# Altium PCB PCB3.PcbDoc
Units mil, origin at the board's own origin, x right, y up, seen from the top; angles counter-clockwise.
Board outline 3130 x 2450 mil, 2 copper layers (Top Layer, Bottom Layer); 51 components, 75 nets, 268 pads, 285 vias.
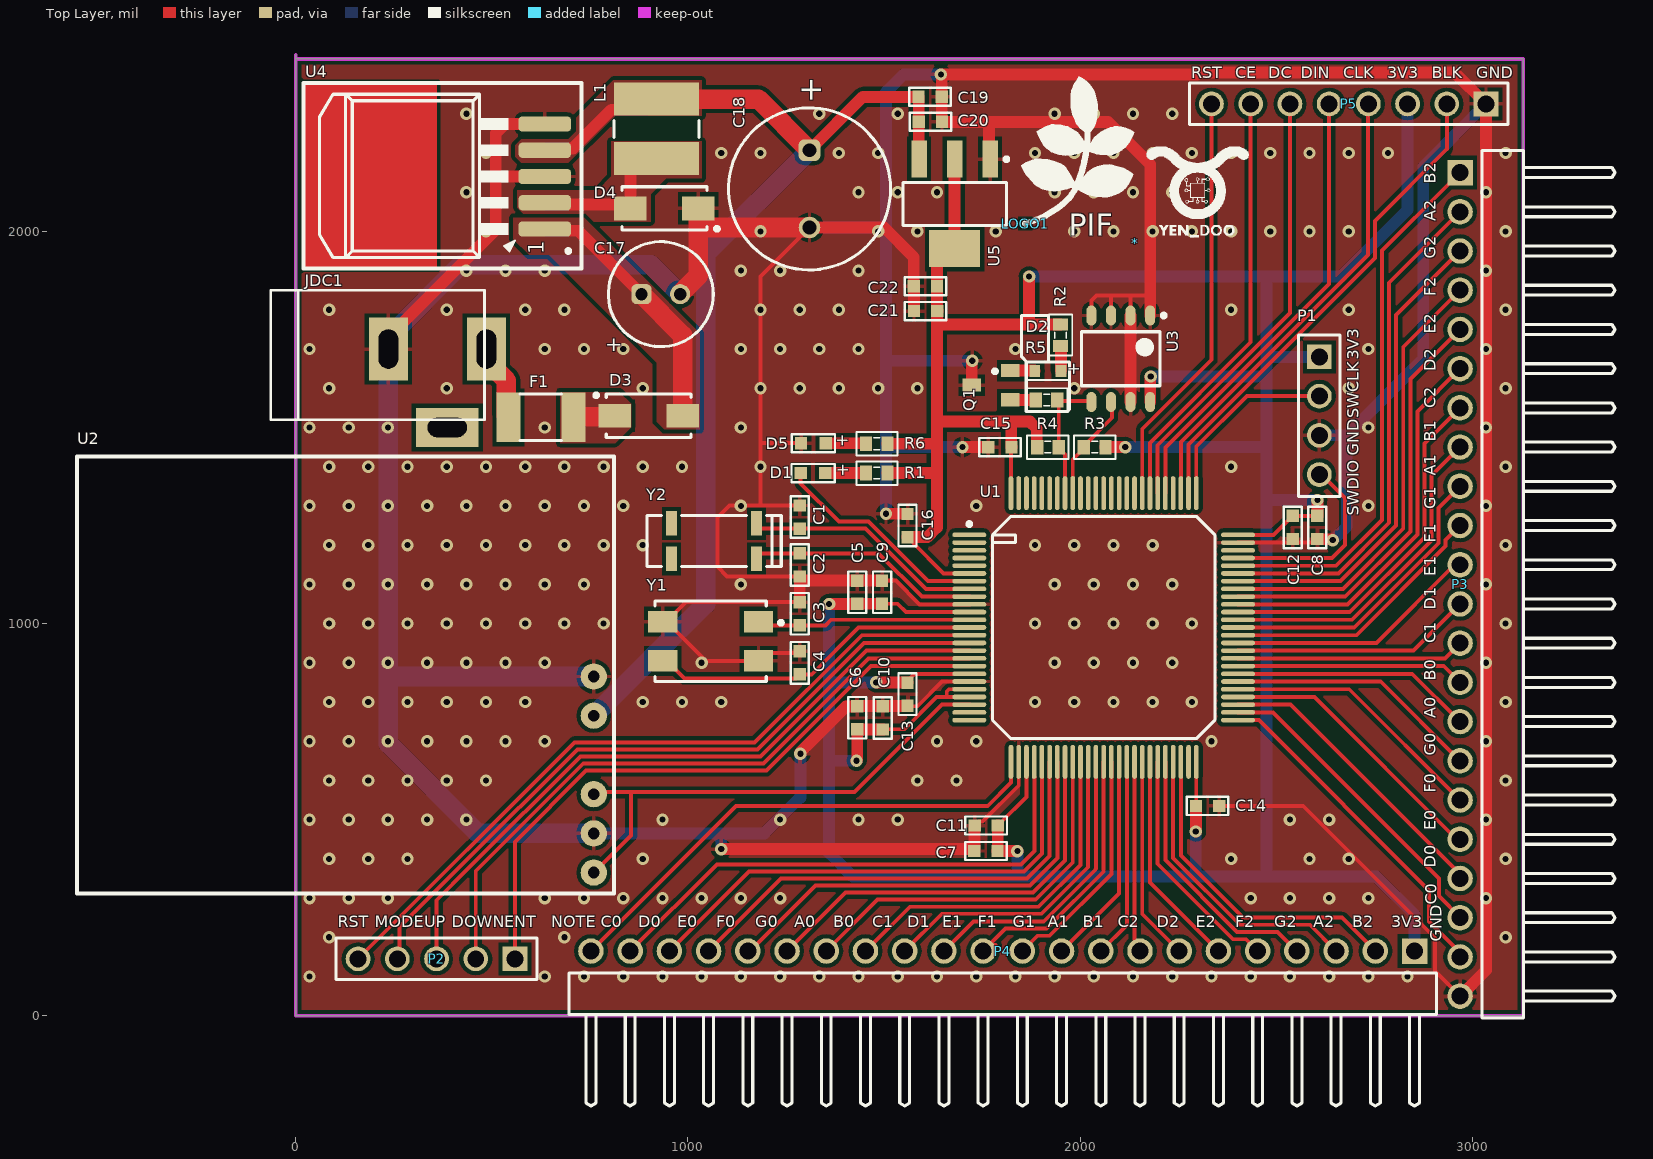
[diagram p0: Top Layer view]
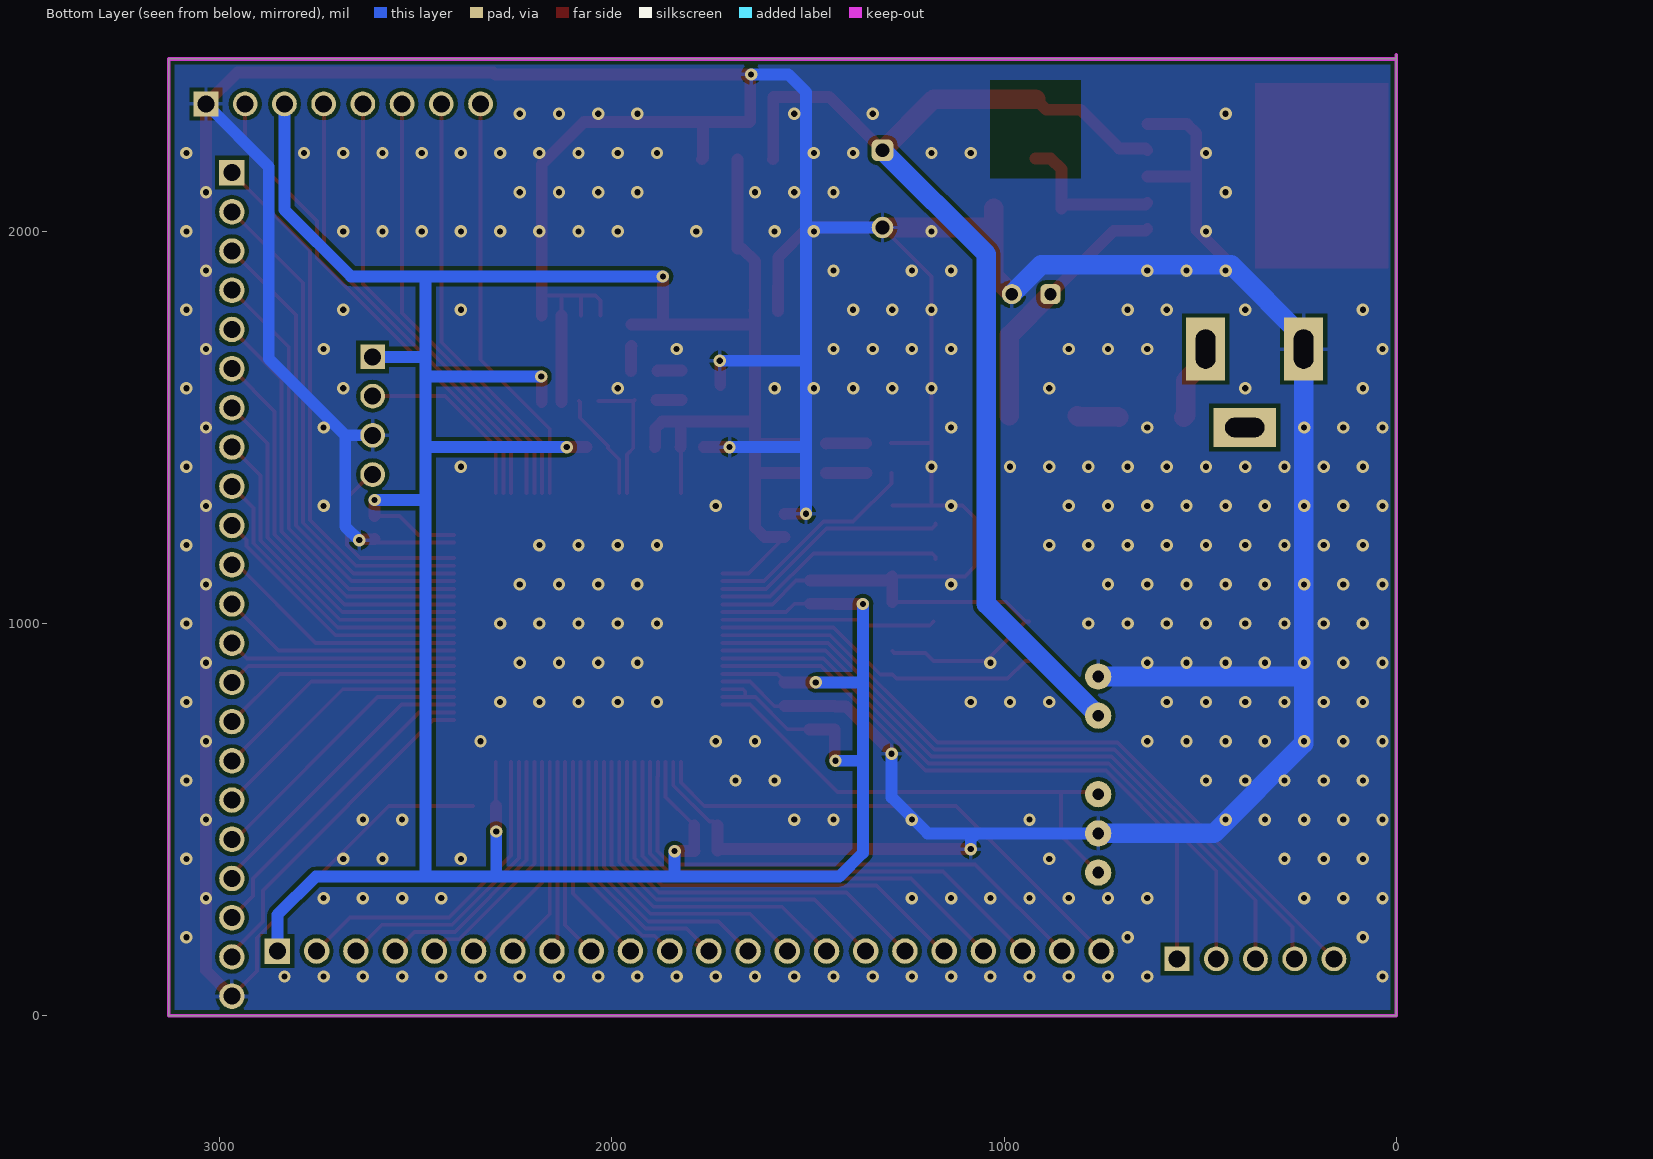
[diagram p1: Bottom Layer view, seen from below]
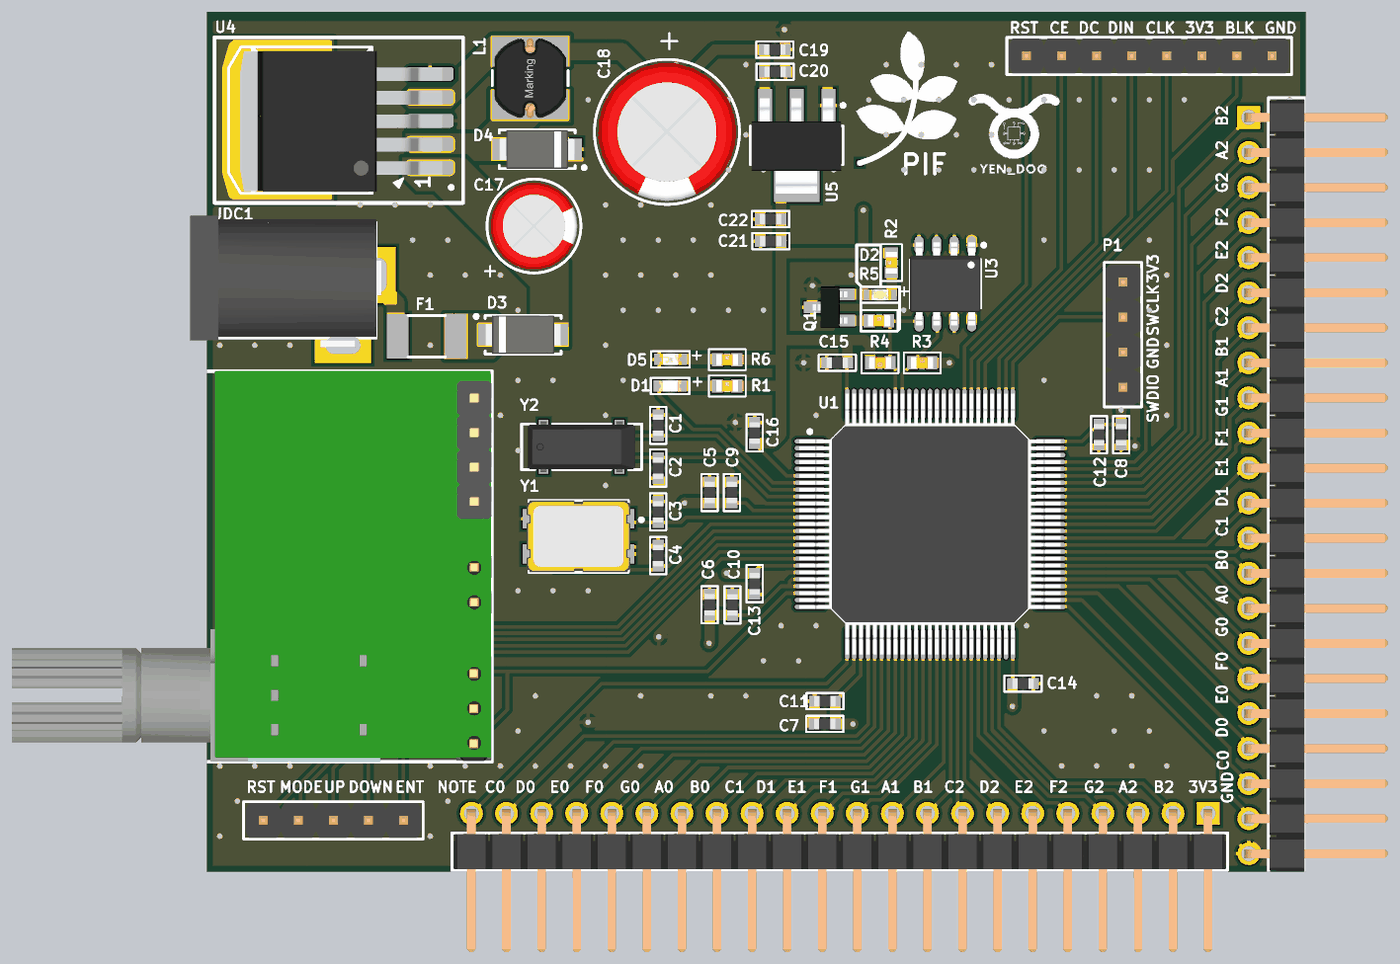
[diagram p2: 3D render of the assembled board from above, using the file's embedded part models]

## Layer stack, top to bottom
Top Solder: solder mask 0.4, Solder Resist, Dk 3.5
Top Layer: signal copper 1.4
Dielectric 1: dielectric 12.6, FR-4, Dk 4.8
Bottom Layer: signal copper 1.4
Bottom Solder: solder mask 0.4, Solder Resist, Dk 3.5

## Board outline
0,2440 3130,2440 3130,0 0,0 0,2450

## Design rules (kind name [scope] priority, off if disabled: settings)
Clearance [All] p1: gap=10 ignorepadtopadclearanceinfootprint=TRUE except(7.5: Arc-SMDPad Track-SMDPad SMDPad-SMDPad; 8: Arc-Arc Arc-Track Track-Track)
PolygonConnect [All] p1: connectstyle=Relief reliefconductorwidth=10 reliefentries=4 polygonreliefangle="90 Angle" airgapwidth=10
RoutingVias [All] p1: holewidth=15.75 width=31.5 viastyle="Through Hole" minholewidth=15.75 minwidth=31.5 maxholewidth=15.75 maxwidth=31.5
SolderMaskExpansion [All] p1: expansion=4 istentingtop=FALSE
Width [All] p1: maxlimit=50 minlimit=10 preferedwidth=30
30 further rules are at their usual default settings.

## Classes and differential pairs
component class 05_Supply_Power: C17 C18 C19 C20 C21 C22 D3 D4 D5 F1 JDC1 L1 R6 U4 U5
component class 04_Input_Output: D2 P2 P3 P4 P5 Q1 R2 R3 R4 R5 U2 U3
component class 03_MCU: * C1 C2 C3 C4 C5 C6 C7 C8 C9 C10 C11 C12 C13 C14 C15 C16 D1 LOGO1 P1 R1 U1 Y1 Y2

## Components (designator, comment, footprint, x,y, rotation, side; value= is the part's Value field where it differs from the comment)
* "LOGO_DOO" Logo_Top_Overlay 2140,1970 r0 top
C1 "22pF, 10V" WCAP-CSGP_0603_H=0.8mm_Reflow 1285,1271.62 r270 top
C2 "22pF, 10V" WCAP-CSGP_0603_H=0.8mm_Reflow 1285,1149.61 r90 top
C3 "22pF, 10V" WCAP-CSGP_0603_H=0.8mm_Reflow 1285,1025 r270 top
C4 "22pF, 10V" WCAP-CSGP_0603_H=0.8mm_Reflow 1285,900 r270 top
C5 "1uF, 10V" WCAP-CSGP_0603_H=0.8mm_Reflow 1431.84,1080 r270 top
C6 "1uF, 10V" WCAP-CSGP_0603_H=0.8mm_Reflow 1431.84,760 r270 top
C7 "1uF, 10V" WCAP-CSGP_0603_H=0.8mm_Reflow 1760,420 r0 top
C8 "1uF, 10V" WCAP-CSGP_0603_H=0.8mm_Reflow 2605,1245 r90 top
C9 "100nF, 10V" WCAP-CSGP_0603_H=0.8mm_Reflow 1495,1080 r270 top
C10 "100nF, 10V" WCAP-CSGP_0603_H=0.8mm_Reflow 1496.84,759.53 r270 top
C11 "100nF, 10V" WCAP-CSGP_0603_H=0.8mm_Reflow 1760.47,485 r0 top
C12 "100nF, 10V" WCAP-CSGP_0603_H=0.8mm_Reflow 2541.84,1245 r90 top
C13 "4.7uF, 10V" WCAP-CSGP_0603_H=0.8mm_Reflow 1560,820 r270 top
C14 "4.7uF, 10V" WCAP-CSGP_0603_H=0.8mm_Reflow 2325,535 r0 top
C15 "4.7uF, 10V" WCAP-CSGP_0603_H=0.8mm_Reflow 1795.47,1450 r180 top
C16 "4.7uF, 10V" WCAP-CSGP_0603_H=0.8mm_Reflow 1560,1250 r90 top
C17 "100uF" WCAP-ATG8_D6.3H11 930.79,1840 r180 top
C18 "1000uF" WCAP-ATG8_D10H20 1310,2108.43 r90 top
C19 "1uF, 10V" WCAP-CSGP_0603_H=0.8mm_Reflow 1617.45,2342.97 r180 top
C20 "100nF, 10V" WCAP-CSGP_0603_H=0.8mm_Reflow 1618.4,2279.81 r180 top
C21 "1uF, 10V" WCAP-CSGP_0603_H=0.8mm_Reflow 1605.94,1796.84 r0 top
C22 "100nF, 10V" WCAP-CSGP_0603_H=0.8mm_Reflow 1605.47,1860 r0 top
D1 "Red, 2V" WL-SMCW_0603_H=0.7mm 1318.99,1383.78 r0 top
D2 "Blue, 3.2V" "WL-SMCW_0603 dome" 1917.77,1644.08 r0 top
D3 "D Schottky" SS34 900,1530 r0 top
D4 "D Schottky" SS34 940,2058.67 r180 top
D5 "Green, 3.2V" WL-SMCW_0603_H=0.25mm 1320,1460 r0 top
F1 "Fuse" "FUSE SMD" 625,1525.73 r0 top
JDC1 "Jack DC" DC-IN 361.27,1600.01 r0 top value="Jac DC"
L1 "100uH, 0.57A" WE-PD2A_5848 920,2261.59 r90 top
LOGO1 "LOGO PIF" "PIF LOGO BIG SSTOP" 1849,2006 r0 top
P1 "61300411121" 61300411121 2610,1530 r270 top
P2 "61300511121" 61300511121 358.97,145 r180 top
P3 "61302211021" 61302211021 3077.91,1100 r90 top
P4 "61302211021" 61302211021 1802.74,55.94 r0 top
P5 "61300811121" 61300811121 2685,2325 r180 top
Q1 "A1015" SOT23B 1772.92,1608 r90 top
R1 "RESISTOR SMD" RES-SM-0603 1454.49,1383.78 r0 top value=1K
R2 "RESISTOR SMD" RES-SM-0603 1950,1708.17 r90 top value=1K
R3 "RESISTOR SMD" RES-SM-0603 2010.01,1450 r0 top value=10K
R4 "RESISTOR SMD" RES-SM-0603 1945,1450 r180 top value=10K
R5 "RESISTOR SMD" RES-SM-0603 1887.37,1570 r0 top value=47K
R6 "RESISTOR SMD" RES-SM-0603 1454.49,1458.79 r0 top value=1K
U1 "STM32F205VCT6" STM32F205VCT6 2060,990 r0 top
U2 "PAM8403" PAM8403 760,365 r90 top
U3 "24C256" SOIC-8 2103.73,1675.24 r270 top
U4 "LM2576" TO263 400,2125 r90 top
U5 "LM1117" SOT223-4N 1680,2070 r270 top value=LM317
Y1 "16MHz" WE-XTAL_12SMX 1057.95,955 r180 top
Y2 "32.768kHz" WE-XTAL_85SMX 1066.73,1210.28 r180 top

## Footprints (in the part's own frame and the unit in brackets; to place one, negate y for a bottom-side part, rotate by r counter-clockwise, add the part's x,y. Pads: shape width x height; smd on the part's side, far side on the other; paste and mask are expansions set on the pad)
61300411121 [mm] "Pin Header, pitch 2.54 mm, THT, Vertical, single row, 4p"
  rect 1.6x1.6 hole 1.1: 1(-3.81,0)
  round 1.6 hole 1.1: 2(-1.27,0) 3(1.27,0) 4(3.81,0)
  silkscreen extent -5.23,-1.35 5.23,1.35, body extent -5.08,-1.27 5.08,1.27, height 8.57
61300511121 [mm] "Pin Header, pitch 2.54 mm, THT, Vertical, single row, 5p"
  rect 1.6x1.6 hole 1.1: 1(-5.08,0)
  round 1.6 hole 1.1: 2(-2.54,0) 3(0,0) 4(2.54,0) 5(5.08,0)
  silkscreen extent -6.5,-1.35 6.5,1.35, body extent -6.35,-1.27 6.35,1.27, height 8.57
61300811121 [mm] "Pin Header, pitch 2.54 mm, THT, Vertical, single row, 8p"
  rect 1.6x1.6 hole 1.1: 1(-8.89,0)
  round 1.6 hole 1.1: 2(-6.35,0) 3(-3.81,0) 4(-1.27,0) 5(1.27,0) 6(3.81,0) 7(6.35,0) 8(8.89,0)
  silkscreen extent -10.31,-1.35 10.31,1.35, body extent -10.16,-1.27 10.16,1.27, height 8.57
61302211021 [mm] "Pin Header, pitch 2.54 mm, THT, Angled, single row, 22p"
  rect 1.65x1.65 hole 1.1: 1(26.67,2.77)
  round 1.65 hole 1.1: 2(24.13,2.77) 3(21.59,2.77) 4(19.05,2.77) 5(16.51,2.77) 6(13.97,2.77) 7(11.43,2.77) 8(8.89,2.77) 9(6.35,2.77) 10(3.81,2.77) 11(1.27,2.77) 12(-1.27,2.77) 13(-3.81,2.77) 14(-6.35,2.77) 15(-8.89,2.77) 16(-11.43,2.77) 17(-13.97,2.77) 18(-16.51,2.77) 19(-19.05,2.77) 20(-21.59,2.77) 21(-24.13,2.77) 22(-26.67,2.77)
  silkscreen extent -28.09,-7.27 28.09,1.35, body extent -27.94,-7.27 27.94,3.09, height 2.58
DC-IN [mil] "Jac DC input"
  rect 100x160 hole 50 slot 100 at 90 deg: 1(125,100) 2(-125,100)
  rect 160x100 hole 50 slot 100 at 0 deg: 3(25,-100)
  silkscreen extent -425,-80 120,250, body extent -410,-105 134,269, height 434
"FUSE SMD" [mm] "SMD FUSE"
  rect 1.55x3.21 smd: 1(-2.1,0) 2(2.1,0)
  silkscreen extent -1.35,-1.5 1.35,1.51, body extent -2.37,-1.71 2.36,1.71, height 0.75
Logo_Top_Overlay [mil]
  silkscreen extent 30,16 290,246
PAM8403 [mm]
  round 1.7 hole 0.762: 1(0,0) 2(2.54,0) 3(5.08,0) 4(10.16,0) 5(12.7,0)
  silkscreen extent -1.35,-1.3 26.95,33.48, body extent -1.32,-1.27 26.98,33.48, height 23.21
"PIF LOGO BIG SSTOP" [mil]
  rect 15x15 smd: 1(11,14)
  silkscreen extent 0,14 289,389
RES-SM-0603 [mm]
  rect 0.8x0.95 smd: 1(-0.014,0) 2(1.386,0)
  silkscreen extent -0.64,-0.76 2.03,0.76, body extent -0.11,-0.4 1.49,0.4, height 0.3
SOIC-8 [mm] "SOIC, 8-Leads, Body 5.00x4.00mm, Pitch 1.27mm, IPC Medium Density"
  oval 1.3x0.65 smd: 1(-2.8,1.905) 2(-2.8,0.635) 3(-2.8,-0.635) 4(-2.8,-1.905) 5(2.8,-1.905) 6(2.8,-0.635) 7(2.8,0.635) 8(2.8,1.905)
  silkscreen extent -2.92,-2.55 1.75,2.91, body extent -3.01,-2.55 3.01,2.55, height 1.39
SOT23B [mm] "SOT 23B"
  rect 0.85x1.2 smd: 1(0.94,-1.245) 2(0,1.25) 3(-0.95,-1.25)
  silkscreen extent 0.77,-0.38 1.02,-0.13, body extent -1.5,-1.3 1.5,1.2, height 1.06
SOT223-4N [mm] "SOT223, 4-Leads, Body 6.5x3.5mm, Pitch 2.3mm, Lead Span 7mm, IPC Medium Density"
  rect 2.4x1 smd: 1(-2.9,2.3) 2(-2.9,0) 3(-2.9,-2.3)
  rect 2.4x3.3 smd: 4(2.9,0)
  silkscreen extent -3.02,-3.35 1.4,3.48, body extent -3.39,-3.27 3.5,3.23, height 1.72
SS34 [mm] "DO-214-AC/SMA Molded Diode, Body 5.3x2.6mm, IPC Medium Density"
  rect 2.1x1.55 smd: 1(-2.2,0) 2(2.2,0)
  silkscreen extent -3.52,-1.4 2.75,1.45, body extent -2.75,-1.4 2.75,1.4, height 2.3
STM32F205VCT6 [mm] "CQFP, 100-Leads, Body 18.70x18.70mm, Pitch 0.50mm, IPC Medium Density"
  oval 2.2x0.3 smd: 1(-8.7,6) 2(-8.7,5.5) 3(-8.7,5) 4(-8.7,4.5) 5(-8.7,4) 6(-8.7,3.5) 7(-8.7,3) 8(-8.7,2.5) 9(-8.7,2) 10(-8.7,1.5) 11(-8.7,1) 12(-8.7,0.5) 13(-8.7,0) 14(-8.7,-0.5) 15(-8.7,-1) 16(-8.7,-1.5) 17(-8.7,-2) 18(-8.7,-2.5) 19(-8.7,-3) 20(-8.7,-3.5) 21(-8.7,-4) 22(-8.7,-4.5) 23(-8.7,-5) 24(-8.7,-5.5) 25(-8.7,-6) 51(8.7,-6) 52(8.7,-5.5) 53(8.7,-5) 54(8.7,-4.5) 55(8.7,-4) 56(8.7,-3.5) 57(8.7,-3) 58(8.7,-2.5) 59(8.7,-2) 60(8.7,-1.5) 61(8.7,-1) 62(8.7,-0.5) 63(8.7,0) 64(8.7,0.5) 65(8.7,1) 66(8.7,1.5) 67(8.7,2) 68(8.7,2.5) 69(8.7,3) 70(8.7,3.5) 71(8.7,4) 72(8.7,4.5) 73(8.7,5) 74(8.7,5.5) 75(8.7,6)
  oval 0.3x2.2 smd: 26(-6,-8.7) 27(-5.5,-8.7) 28(-5,-8.7) 29(-4.5,-8.7) 30(-4,-8.7) 31(-3.5,-8.7) 32(-3,-8.7) 33(-2.5,-8.7) 34(-2,-8.7) 35(-1.5,-8.7) 36(-1,-8.7) 37(-0.5,-8.7) 38(0,-8.7) 39(0.5,-8.7) 40(1,-8.7) 41(1.5,-8.7) 42(2,-8.7) 43(2.5,-8.7) 44(3,-8.7) 45(3.5,-8.7) 46(4,-8.7) 47(4.5,-8.7) 48(5,-8.7) 49(5.5,-8.7) 50(6,-8.7) 76(6,8.7) 77(5.5,8.7) 78(5,8.7) 79(4.5,8.7) 80(4,8.7) 81(3.5,8.7) 82(3,8.7) 83(2.5,8.7) 84(2,8.7) 85(1.5,8.7) 86(1,8.7) 87(0.5,8.7) 88(0,8.7) 89(-0.5,8.7) 90(-1,8.7) 91(-1.5,8.7) 92(-2,8.7) 93(-2.5,8.7) 94(-3,8.7) 95(-3.5,8.7) 96(-4,8.7) 97(-4.5,8.7) 98(-5,8.7) 99(-5.5,8.7) 100(-6,8.7)
  silkscreen extent -8.82,-7.2 7.2,7.2, body extent -9.45,-9.45 9.45,9.45, height 1.55
TO263 [mm]
  rrect50% 1x3.4 smd: 1(-3.019,-5.969) 2(-1.319,-5.969) 4(2.081,-5.969) 5(3.781,-5.969)
  rrect50% 1x3.4 smd mask+0: 3(0.381,-5.969)
  Top Layer region: -5.568,1.016 6.432,1.016 6.432,9.65 -5.568,9.65
  silkscreen extent -5.57,-8.35 6.43,9.65, body extent -4.73,-6.84 5.43,7.8, height 4.57
WCAP-ATG8_D6.3H11 [mm] "Aluminum Electrolytic Capacitors, 6.3x11mm"
  rrect50% 1.3x1.3 hole 0.8: 1(1.25,0)
  round 1.3 hole 0.8: 2(-1.25,0)
  silkscreen extent -3.4,-3.4 3.4,3.4, body extent -3.14,-3.15 3.15,3.15, height 11.31
WCAP-ATG8_D10H20 [mm] "Aluminum Electrolytic Capacitors, 10x20mm"
  rrect50% 1.4x1.4 hole 0.9: 1(2.5,0)
  round 1.4 hole 0.9: 2(-2.5,0)
  silkscreen extent -5.25,-5.25 5.25,5.25, body extent -4.99,-5 5,5, height 20.31
WCAP-CSGP_0603_H=0.8mm_Reflow [mm] "Ceramic Capacitors, body 1.6x0.8mm"
  rect 0.8x0.8 smd: 1(-0.75,0) 2(0.75,0)
  silkscreen extent -1.34,-0.58 1.35,0.58, body extent -0.8,-0.4 0.8,0.4, height 0.8
WE-PD2A_5848 [mm] "SMD Power Inductor, body 5.8x5.2mm"
  rect 2.15x5.5 smd: 1(-1.925,0) 2(1.925,0)
  silkscreen extent -0.55,-2.75 0.55,2.75, body extent -2.9,-2.6 2.89,2.6, height 4.5
WE-XTAL_12SMX [mm] "Quartz Crystal, size 12SMX, body 7.5x5.2mm"
  rect 1.9x1.4 smd: 1(-3.1,-1.27) 2(-3.1,1.27) 3(3.1,1.27) 4(3.1,-1.27)
  silkscreen extent -4.68,-2.6 3.6,2.6, body extent -3.75,-2.6 3.75,2.6, height 1.1
WE-XTAL_85SMX [mm] "Quartz Crystal, size 85SMX, body 8.7x3.2mm"
  rect 0.7x1.6 smd: 1(-2.75,-1.15) 2(2.75,-1.15) 3(2.75,1.15) 4(-2.75,1.15)
  silkscreen extent -4.35,-1.65 4.35,1.65, body extent -3.9,-1.85 3.9,1.85, height 2.45
"WL-SMCW_0603 dome" [mm] "SMD Mono-color Chip LED, body 1.6x0.8mm"
  rect 0.7x0.8 smd: 1(-0.85,0) 2(0.85,0)
  silkscreen extent -1.4,-0.58 1.4,0.58, body extent -0.8,-0.4 0.8,0.4, height 0.95
WL-SMCW_0603_H=0.7mm [mm] "SMD Mono-color Chip LED, body 1.6x0.8mm"
  rect 0.8x0.8 smd: 1(-0.8,0) 2(0.8,0)
  silkscreen extent -1.4,-0.58 1.4,0.58, body extent -0.8,-0.4 0.8,0.4, height 0.7
WL-SMCW_0603_H=0.25mm [mm] "SMD Mono-color Chip LED, body 1.6x0.8mm"
  rect 0.8x0.8 smd: 1(-0.8,0) 2(0.8,0)
  silkscreen extent -1.4,-0.58 1.4,0.58, body extent -0.8,-0.4 0.8,0.4, height 0.25

## Part data
C1 C2 C3 C4: library part 885012006004, "WCAP-CSGP Multilayer Ceramic Chip Capacitor, General Purpose, size 0603, NP0, 22pF, 10V", Capacitance=22pF, Capacitance Tolerance=+/-5%, Isolation Resistance=>=10GOhm, Manufacturer="Wurth Elektronik", Operating Temperature="-55 to +125degC", Rated Voltage=10VDC, Ceramic Type=NP0, ComponentLink1Description=Manufacturer, ComponentLink1URL=http://www.we-online.de, ComponentLink2Description=Datasheet, ComponentLink2URL=https://www.we-online.com/catalog/datasheet/885012006004.pdf, Dissipation Factor=Q>=400+20C, Height=0.8mm, Manufacturer Part Number=885012006004, Mounting Technology=SMT, Packaging="Tape and Reel", Published Date="May 2020", Size=0603, Technical Reference=NP00603220J010DFCT10000
C5 C6 C7 C8 C19 C21: library part 885012106010, "WCAP-CSGP Multilayer Ceramic Chip Capacitor, General Purpose, size 0603, X5R, 1uF, 10V", Capacitance=1uF, Capacitance Tolerance=+/-20%, Isolation Resistance=>=0.1GOhm, Manufacturer="Wurth Elektronik", Operating Temperature="-55 to +85degC", Rated Voltage=10VDC, Ceramic Type=X5R, ComponentLink1Description=Manufacturer, ComponentLink1URL=http://www.we-online.de, ComponentLink2Description=Datasheet, ComponentLink2URL=https://www.we-online.com/catalog/datasheet/885012106010.pdf, Dissipation Factor=#NAME?, Height=0.8mm, Manufacturer Part Number=885012106010, Mounting Technology=SMT, Packaging="Tape and Reel", Published Date="May 2020", Size=0603, Technical Reference=X5R0603105M010DFCT10000
C9 C10 C11 C12 C20 C22: library part 885012206020, "WCAP-CSGP Multilayer Ceramic Chip Capacitor, General Purpose, size 0603, X7R, 100nF, 10V", Capacitance=100nF, Capacitance Tolerance=+/-10%, Isolation Resistance=>=5GOhm, Manufacturer="Wurth Elektronik", Operating Temperature="-55 to +125degC", Rated Voltage=10VDC, Ceramic Type=X7R, ComponentLink1Description=Manufacturer, ComponentLink1URL=http://www.we-online.de, ComponentLink2Description=Datasheet, ComponentLink2URL=https://www.we-online.com/catalog/datasheet/885012206020.pdf, Dissipation Factor=#NAME?, Height=0.8mm, Manufacturer Part Number=885012206020, Mounting Technology=SMT, Packaging="Tape and Reel", Published Date="May 2020", Size=0603, Technical Reference=X7R0603104K010DFCT10000
C13 C14 C15 C16: library part 885012106012, "WCAP-CSGP Multilayer Ceramic Chip Capacitor, General Purpose, size 0603, X5R, 4.7uF, 10V", Capacitance=4.7uF, Capacitance Tolerance=+/-20%, Isolation Resistance=>=0.02GOhm, Manufacturer="Wurth Elektronik", Operating Temperature="-55 to +85degC", Rated Voltage=10VDC, Ceramic Type=X5R, ComponentLink1Description=Manufacturer, ComponentLink1URL=http://www.we-online.de, ComponentLink2Description=Datasheet, ComponentLink2URL=https://www.we-online.com/catalog/datasheet/885012106012.pdf, Dissipation Factor=#NAME?, Height=0.8mm, Manufacturer Part Number=885012106012, Mounting Technology=SMT, Packaging="Tape and Reel", Published Date="May 2020", Size=0603, Technical Reference=X5R0603475M010DFCT10000
C17: library part 860010473007, "WCAP-ATG8 Aluminum Electrolytic Capacitor, Radial THT, D6.3xH11mm, 100uF, 25V", Capacitance Tolerance=+/-20%, Leakage Current=25uA, Manufacturer="Wurth Elektronik", Operating Temperature Max=85°C, Operating Temperature Min=-40°C, Rated Voltage (DC)=25V, Ripple Current=209mA, Capacitance=100uF, Category="Aluminum Electrolytic Capacitors", ComponentLink1Description="Manufacturer Link", ComponentLink1URL=https://www.we-online.com/redexpert/article/860010473007?ad, ComponentLink2Description=Datasheet, ComponentLink2URL=https://www.we-online.com/redexpert/spec/860010473007?ad, Diameter=6.3mm, Dissipation Factor=14%, Endurance=2000h, Height=11mm, Manufacturer Part Number=860010473007, Match Code=WCAP-ATG8, Mount="Through Hole", Packaging="Ammo Pack", Technical Reference=ATBD110101M025DSPA4B000
C18: library part 860010475017, "WCAP-ATG8 Aluminum Electrolytic Capacitor, Radial THT, D10xH20mm, 1000uF, 25V", Capacitance Tolerance=+/-20%, Leakage Current=250uA, Manufacturer="Wurth Elektronik", Operating Temperature Max=85°C, Operating Temperature Min=-40°C, Rated Voltage (DC)=25V, Ripple Current=1050mA, Capacitance=1000uF, Category="Aluminum Electrolytic Capacitors", ComponentLink1Description="Manufacturer Link", ComponentLink1URL=https://www.we-online.com/redexpert/article/860010475017?ad, ComponentLink2Description=Datasheet, ComponentLink2URL=https://www.we-online.com/redexpert/spec/860010475017?ad, Diameter=10mm, Dissipation Factor=14%, Endurance=2000h, Height=20mm, Manufacturer Part Number=860010475017, Match Code=WCAP-ATG8, Mount="Through Hole", Packaging="Ammo Pack", Technical Reference=ATBF200102M025DSPAAB000
D1: library part 150060RS75000, "WL-SMCW SMT Mono-color Chip LED Waterclear, size 0603, Red, 2V, 140deg", Emitting Color=Red, Forward Voltage typ.=2V, Operating Temperature="-40 to +85degC", Chip Technology=AlInGaP, ComponentLink1Description=Manufacturer, ComponentLink1URL=http://www.we-online.de, ComponentLink2Description=Datasheet, ComponentLink2URL=https://www.we-online.com/catalog/datasheet/150060RS75000.pdf, Dominant Wavelength typ.=625nm, Luminous Intensity typ.=250mcd, Mounting Technology=SMT, Packaging="Tape and Reel", Part Number=150060RS75000, Peak Wavelength typ.=630nm, Published Date="December 2019", Publisher="Wurth Elektronik", Size=0603, Viewing Angle=140deg